# Altium PCB as_x31.PcbDoc (part 3 of 5) (continued)
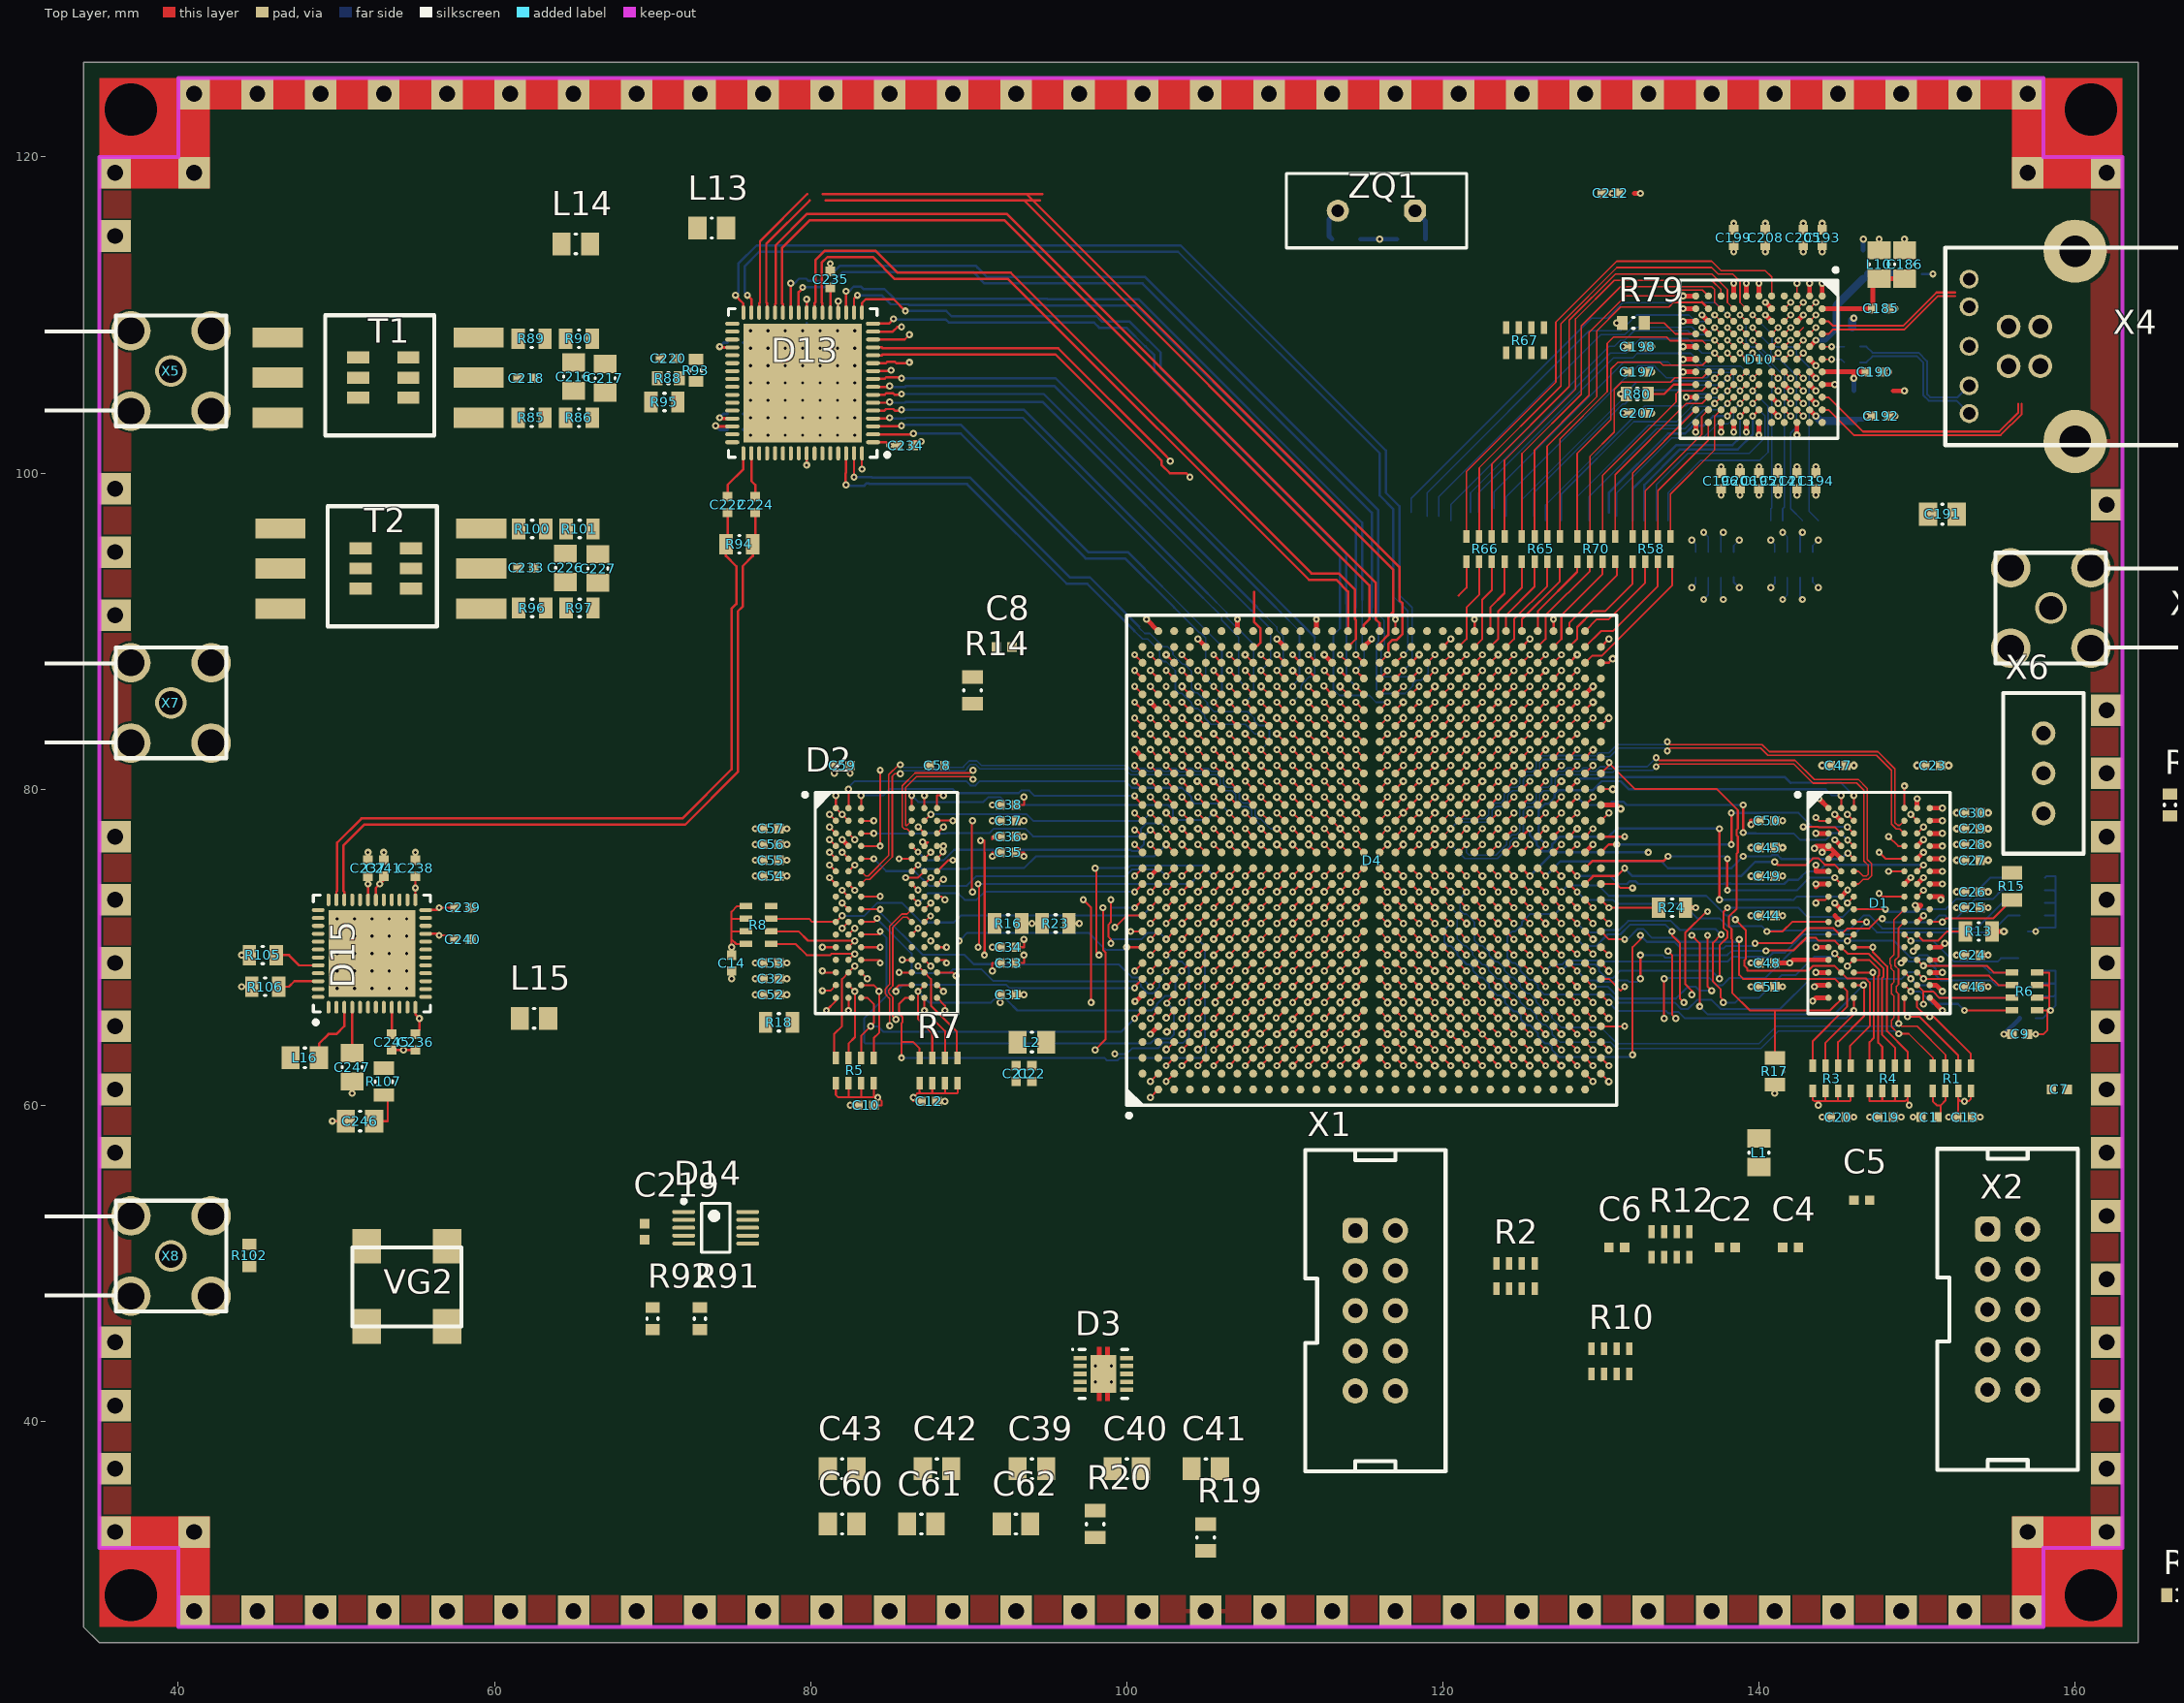
[diagram p0: Top Layer view]
## Nets (pads, with @x,y where several pads share a name; then routed paths per layer and width w, separated by ;. In a path a pad name is that pad's centre, name@x,y a point inside that pad or via, vN(x,y) a via of type N, cw(c..) or ccw(c..) an arc to the next point about the centre after c; other vN are vias at no path point) (continued)
  Bottom Layer w0.15: C189.1@150.3,112.6 v1(151,112.6)
  Bottom Layer w0.3: C183.1@114.8,114.8 v1(116,114.8) C182.1@117.1,114.8 ; v1(155.5,64.5) C11.2@156.5,65.5
  Bottom Layer w0.5: C188.1@145.9,109.2 145.9,109.7 v1(146,109.8)
  other v1: 102.5,86.5 122,90.75
  other v2: 311.8,38.8 312.9,38.8 315.1,38.8 316.2,38.8 311.8,39.9 314,39.9 315.1,39.9 316.2,39.9 311.8,41 312.9,41 315.1,41 311.8,42.1 314,42.1 315.1,42.1 316.2,42.1 98.025,42.5 98.025,42.5 99.025,42.5 311.8,43.2 312.9,43.2 315.1,43.2 316.2,43.2 98.025,43.5 98.025,43.5 99.025,43.5 50.05,67.4 51.15,67.4 52.25,67.4 53.35,67.4 54.45,67.4 50.05,68.5 51.15,68.5 52.25,68.5 53.35,68.5 54.45,68.5 50.05,69.6 51.15,69.6 52.25,69.6 53.35,69.6 54.45,69.6 50.05,70.7 51.15,70.7 52.25,70.7 53.35,70.7 54.45,70.7 50.05,71.8 51.15,71.8 52.25,71.8 53.35,71.8 54.45,71.8 154.5,78.5 602.45,167.9 602.45,167.9 603.55,167.9 603.55,167.9 602.45,169 602.45,169 603.55,169 603.55,169 308.45,169.45 308.45,169.45 309.55,169.45 309.55,169.45 602.45,170.1 602.45,170.1 603.55,170.1 603.55,170.1 315,170.35 315,170.35 587,170.35 587,170.35 308.45,170.55 308.45,170.55 309.55,170.55 309.55,170.55 314.35,171 314.35,171 315.65,171 315.65,171 586.35,171 586.35,171 587.65,171 587.65,171 315,171.65 315,171.65 587,171.65 587,171.65 440.45,194.45 440.45,194.45 441.55,194.45 441.55,194.45 440.45,195.55 440.45,195.55 441.55,195.55 441.55,195.55
0VA: C220.2 C221.2 C228.1 C229.1 C230.1 C231.1 C232.1 D13.65 R87.1 R88.1 R95.2 R98.1 R99.2 T1.6 T2.6 X5.2 X7.2 | length 2.5
  Bottom Layer w0.15: v2(79.5,109) 79.75,109.25 C228.1@79.75,109.5 ; C229.1@79.75,102 C229.1@79.75,102.15
  Bottom Layer w0.2: C231.1@75.75,102.75 75.85,102.75 v2(76.2,102.4) ; C232.1@75.75,103.75 75.95,103.75 v2(76.2,103.5) ; C230.1@75.75,108.25 75.85,108.25 v2(76.2,107.9)
  other v2: 77.3,102.4 78.4,102.4 79.5,102.4 80.6,102.4 81.7,102.4 82.8,102.4 77.3,103.5 78.4,103.5 79.5,103.5 80.6,103.5 81.7,103.5 82.8,103.5 76.2,104.6 77.3,104.6 78.4,104.6 79.5,104.6 80.6,104.6 81.7,104.6 82.8,104.6 76.2,105.7 77.3,105.7 78.4,105.7 79.5,105.7 80.6,105.7 81.7,105.7 82.8,105.7 76.2,106.8 77.3,106.8 78.4,106.8 79.5,106.8 80.6,106.8 81.7,106.8 82.8,106.8 77.3,107.9 78.4,107.9 79.5,107.9 80.6,107.9 81.7,107.9 82.8,107.9 76.2,109 77.3,109 78.4,109 80.6,109 81.7,109 82.8,109
12V: C143.1 C144.1 C149.1 C150.1 C152.1 C167.1 C168.1 C169.1 D7.4 D7.5 D7.6 D8.4 D8.5 D8.6 VD1.1
A_485: R35.2 X2.1
AD97_CS: D15.14
AD5322_DIN: D14.9
AD5322_LDAC: D14.1
AD5322_SCLK: D14.8
AD5322_SYNC: D14.7
AD9517_EXT_CLK: C242.2 D15.47 R103.1 R104.2 VD2.1
AD9517_FPGA_CLK: D15.48 VG2.3
AD9517_REF_SEL: D15.6
AD9517_REFMON: D15.1
AD9517_SCLK: D15.13
AD9517_SDIO: D15.16
AD9517_SDO: D15.15
AD9517_STATUS: D15.5
ADC_CLK_N: C224.1 D15.34 R94.1 | length 47
  Top Layer w0.15: D15.34@50.5,73 50.5,73.5 50.45,73.55 50.45,76.45 51.75,77.75 72.066,77.75 75.4,81.084 75.4,91.25 75.7,91.55 75.7,94.1 76.35,94.75 R94.1@76.35,95.5 ; R94.1@76.5,95.65 C224.1@76.5,97.5
ADC_CLK_P: C222.1 D15.35 R94.2 | length 47
  Top Layer w0.15: D15.35@50,73 50,73.5 50.05,73.55 50.05,76.616 51.584,78.15 71.9,78.15 75,81.25 75,91.416 75.3,91.716 75.3,94.1 74.65,94.75 R94.2@74.65,95.5 ; R94.2@74.75,95.6 C222.1@74.75,97.5
ADC_CML: C218.1 C233.1 D13.41 T1.2 T2.2
ADC_CSB: D13.51
ADC_D0_N: D4.J23 D13.62 | length 36.8
  Top Layer w0.125: v1(108.5,83.5) D4.J23@109,83
  Top Layer w0.15: v1(82.25,99.25) 82.2,99.3 82.2,99.978 82.25,100.028 D13.62@82.25,101.25
  Bottom Layer w0.1: 100.5,90 101,89.5 101.325,89.5 102.075,88.75 102.075,88.324 102.324,88.075 102.491,88.075 103.075,87.491 103.075,86.324 103.324,86.075 103.491,86.075 104.1,85.466 104.1,85.334 104.334,85.1 104.501,85.1 104.925,84.676 104.925,84.509 105.334,84.1 107.501,84.1 108.101,83.5 v1(108.5,83.5)
  Bottom Layer w0.15: v1(82.25,99.25) 82.3,99.2 83.4,99.2 83.55,99.35 83.684,99.35 83.734,99.3 89.9,99.3 96.2,93 97.5,93 100.5,90
ADC_D0_P: D4.J22 D13.63 | length 37.5
  Top Layer w0.125: v1(108.5,82.5) D4.J22@109,82
  Top Layer w0.15: v1(82.75,99.75) D13.63@82.75,101.25
  Bottom Layer w0.1: 100.783,90.283 100.783,90.212 101.145,89.85 101.47,89.85 102.32,89 102.601,89 102.925,88.676 102.925,88.509 103.534,87.9 103.666,87.9 104.1,87.466 104.1,86.334 104.334,86.1 104.466,86.1 105.1,85.466 105.1,85.334 105.534,84.9 107.666,84.9 108.075,84.491 108.075,84.324 108.374,84.025 108.717,84.025 109.025,83.717 109.025,83.025 v1(108.5,82.5)
  Bottom Layer w0.15: v1(82.75,99.75) 83.85,99.75 83.9,99.7 90.1,99.7 96.4,93.4 97.666,93.4 100.783,90.283
ADC_D1_N: D4.F26 D13.2 | length 30.4
  Top Layer w0.1: v1(105.5,86.5) D4.F26@106,86
  Top Layer w0.15: D13.2@83.95,102.45 86.45,102.45 v1(86.5,102.5)
  Bottom Layer w0.1: 103,91.5 104.6,89.9 104.666,89.9 105,89.566 105,87 v1(105.5,86.5)
  Bottom Layer w0.15: v1(86.5,102.5) 89.5,102.5 97.4,94.6 99.9,94.6 103,91.5
ADC_D1_P: D4.F25 D13.3 | length 32.4
  Top Layer w0.125: v1(105.5,85.5) D4.F25@106,85
  Top Layer w0.15: D13.3@83.95,102.95 85.7,102.95 v1(85.75,103)
  Bottom Layer w0.1: 102.25,92.816 106.025,89.041 106.025,86.025 v1(105.5,85.5)
  Bottom Layer w0.15: v1(85.75,103) 85.8,103.05 89.516,103.05 97.566,95 100.066,95 102.25,92.816
ADC_D2_N: D4.H26 D13.4 | length 33.1
  Top Layer w0.125: v1(107.5,86.5) D4.H26@108,86
  Top Layer w0.15: D13.4@83.95,103.45 84.95,103.45 v1(85,103.5)
  Bottom Layer w0.1: 104.842,92.092 106,90.934 106,90.689 107.075,89.614 107.075,86.925 107.283,86.717 v1(107.5,86.5)
  Bottom Layer w0.15: v1(85,103.5) 85.05,103.45 85.978,103.45 86.028,103.5 93.434,103.5 104.842,92.092
ADC_D2_P: D4.H25 D13.5 | length 35.1
  Top Layer w0.125: v1(107.5,85.5) D4.H25@108,85
  Top Layer w0.15: D13.5@83.95,103.95 84.672,103.95 84.772,104.05 85.228,104.05 85.328,103.95 85.7,103.95 v1(85.75,104)
  Bottom Layer w0.1: 105.125,92.375 106.325,91.175 106.325,90.859 108.025,89.159 108.025,86.025 v1(107.5,85.5)
  Bottom Layer w0.15: v1(85.75,104) 93.5,104 105.125,92.375
ADC_D3_N: D4.J27 D13.6 | length 34.8
  Top Layer w0.125: v1(108.5,87.5) D4.J27@109,87
  Top Layer w0.15: D13.6@83.95,104.45 84.95,104.45 v1(85,104.5)
  Bottom Layer w0.1: 107.875,91.309 107.9,91.284 107.935,91.284 108.095,91.125 108.125,91.125 109.1,90.15 109.1,88.1 v1(108.5,87.5)
  Bottom Layer w0.15: v1(85,104.5) 85.05,104.45 85.978,104.45 86.028,104.5 94.684,104.5 107.875,91.309
ADC_D3_P: D4.K27 D13.7 | length 35.6
  Top Layer w0.125: v1(109.5,87.5) D4.K27@110,87
  Top Layer w0.15: D13.7@83.95,104.95 84.672,104.95 84.772,105.05 85.228,105.05 85.328,104.95 85.7,104.95 v1(85.75,105)
  Bottom Layer w0.1: 108.25,91.5 109.492,90.258 109.492,90.074 109.9,89.666 109.9,89.334 109.874,89.308 109.9,89.282 109.9,87.9 v1(109.5,87.5)
  Bottom Layer w0.15: v1(85.75,105) 94.75,105 108.25,91.5
ADC_D4_N: D4.L26 D13.8 | length 37.1
  Top Layer w0.15: D13.8@83.95,105.45 84.95,105.45 v1(85,105.5)
  Bottom Layer w0.1: 109.717,91.217 110.925,90.009 110.925,86.986 110.5,86.561 v1(110.5,86.5)
  Bottom Layer w0.15: v1(85,105.5) 85.05,105.45 85.978,105.45 86.028,105.5 95.434,105.5 109.217,91.717 109.717,91.217
ADC_D4_P: D4.L25 D13.9 | length 39.6
  Top Layer w0.15: D13.9@83.95,105.95 83.975,105.975 84.697,105.975 84.772,106.05 85.7,106.05 v1(85.75,106)
  Bottom Layer w0.1: v1(110.5,85.5) 111.025,86.025 111.025,86.53 111.1,86.605 111.1,86.666 111.334,86.9 111.35,86.9 111.35,86.916 111.534,87.1 111.666,87.1 111.9,87.334 111.9,89.6
  Bottom Layer w0.15: v1(85.75,106) 95.5,106 109.5,92 111.9,89.6
ADC_D5_N: D4.N25 D13.12 | length 44.4
  Top Layer w0.125: v1(112.5,85.5) D4.N25@113,85
  Top Layer w0.15: D13.12@83.95,107.45 84.5,107.45 84.55,107.5 95.5,107.5 102,101 102.2,100.8 102.2,100.522 102.722,100 103.75,100 v1(104,99.75)
  Mid_1 w0.1: v1(112.5,85.5) 112.745,85.5 113.245,86 113.75,86 114,86.25 114,90.78 112.65,92.13 112.65,92.516
  Mid_1 w0.15: v1(104,99.75) 108.5,95.25 109.916,95.25 112.65,92.516
ADC_D5_P: D4.N24 D13.13 | length 45.3
  Top Layer w0.125: v1(112.5,84.5) D4.N24@113,84
  Top Layer w0.15: D13.13@83.95,107.95 84.5,107.95 84.55,107.9 95.666,107.9 102.283,101.283 v1@102.783,100.783
  Mid_1 w0.1: 112.25,92 113.5,90.75 113.5,89.25 113,88.75 113,86.25 112.78,86.03 112.288,86.03 111.975,85.717 111.975,85.025 v1(112.5,84.5)
  Mid_1 w0.15: v1(102.75,100.75) 103.45,100.05 103.45,99.522 108.122,94.85 109.75,94.85 112.25,92.35 112.25,92
ADC_D6_N: D4.R25 D13.14 | length 48.7
  Top Layer w0.125: v1(114.5,85.5) D4.R25@115,85
  Top Layer w0.15: D13.14@83.95,108.45 85.95,108.45 v1(86.25,108.75)
  Mid_1 w0.1: v1(114.5,85.5) 114.9,85.9 114.9,88.666 114.833,88.732 114.833,92.5
  Mid_1 w0.15: v1(86.25,108.75) 103.75,108.75 114.925,97.575 114.925,92.592 114.833,92.5
ADC_D6_P: D4.P25 D13.15 | length 51.7
  Top Layer w0.125: v1(113.5,85.5) D4.P25@114,85
  Top Layer w0.15: D13.15@83.95,108.95 85.2,108.95 85.5,109.25 v1(85.75,109.25)
  Mid_1 w0.1: v1(113.5,85.5) 114.025,84.975 114.717,84.975 115.324,85.582 115.324,89.11 115.1,89.334 115.1,91.85
  Mid_1 w0.125: 115.1,91.85 115.324,92.074 115.324,93.25
  Mid_1 w0.15: v1(85.75,109.25) 85.8,109.3 103.766,109.3 115.324,97.742 115.324,93.25
  Bottom Layer w0.15: v1(85.75,109.25) v1@85.8,109.3
ADC_D7_N: D4.T25 D13.16 | length 49.5
  Top Layer w0.125: D4.T25@116,85 v1(116.5,85.5)
  Top Layer w0.15: D13.16@83.95,109.45 84.95,109.45 v1(85.25,109.75)
  Bottom Layer w0.1: 113.5,90.175 113.075,89.75 113.075,86.324 113.474,85.925 115.35,85.925 115.775,85.5 v1(116.5,85.5)
  Bottom Layer w0.15: v1(85.25,109.75) 85.3,109.7 88.575,109.7 88.75,109.525 97.93,109.525 98.259,109.196 99.989,109.196 101.159,108.025 101.18,108.025 101.75,107.455 101.75,106.434 113.5,94.684 113.5,90.175
ADC_D7_P: D4.R26 D13.17 | length 47.9
  Top Layer w0.125: v1(114.5,86.5) D4.R26@115,86
  Top Layer w0.15: D13.17@83.25,110.15 83.25,110.75 83.5,111 85.25,111 v1(86,110.25)
  Bottom Layer w0.1: 113.9,91.725 113.9,87.1 v1(114.5,86.5)
  Bottom Layer w0.15: v1(86,110.25) 88.591,110.25 88.916,109.925 98.095,109.925 98.425,109.596 100.154,109.596 101.325,108.425 101.345,108.425 102.15,107.62 102.15,106.6 113.9,94.85 113.9,91.725
ADC_D8_N: D4.R28 D13.18 | length 47.7
  Top Layer w0.15: D13.18@82.75,110.15 82.75,111.04 v1(82.96,111.25) ; v1(114.5,88.5) D4.R28@115,88
  Bottom Layer w0.1: v1(114.5,88.5) 114.5,91.5
  Bottom Layer w0.15: v1(82.96,111.25) 84.5,111.25 85.075,110.675 86.176,110.675 86.218,110.633 94.801,110.633 94.834,110.6 100.584,110.6 114.5,96.684 114.5,91.5
ADC_D8_P: D4.R27 D13.19 | length 54.3
  Top Layer w0.15: D13.19@82.25,110.15 v1(82.25,111.5) ; 108.071,92.47 108.071,90.566 108.45,90.186 108.45,89.259 108.258,89.067 ; v1(114.5,87.5) D4.R27@115,87
  Bottom Layer w0.1: v1(114.5,87.5) 115.025,88.025 115.025,88.717 114.9,88.842 114.9,91.975
  Bottom Layer w0.15: v1(82.25,111.5) 82.432,111.5 82.732,111.8 83.188,111.8 83.338,111.65 84.666,111.65 85.283,111.033 94.967,111.033 95,111 100.75,111 114.9,96.85 114.9,91.975
ADC_D9_N: D4.P30 D13.22 | length 47.9
  Top Layer w0.15: D13.22@80.75,110.15 80.75,110.75 80.7,110.8 80.7,113.301 81.074,113.675 83.934,113.675 85.334,112.275 92.5,112.275 111.525,93.25 113.25,93.25 114,92.5 D4.P30@114,90
ADC_D9_P: D4.P29 D13.23 | length 50.5
  Top Layer w0.15: D13.23@80.25,110.15 80.25,110.75 80.3,110.8 80.3,113.467 80.908,114.075 84.1,114.075 84.708,113.467 85.5,112.675 92.666,112.675 111.691,93.65 113.416,93.65 114.45,92.616 114.45,90.75 114.5,90.7 114.5,89.5 D4.P29@114,89
ADC_D10_N: D4.W28 D13.25 | length 61.9
  Top Layer w0.125: D4.W28@119,88 v1(119.5,88.5)
  Top Layer w0.15: D13.25@79.25,110.15 79.25,111.45 79.5,111.7 v1(79.5,111.75)
  Bottom Layer w0.1: 115.5,91.5 115.5,90.945 115.745,90.7 115.775,90.7 115.925,90.55 115.925,89.359 115.8,89.234 115.8,86.3 116.05,86.05 117.616,86.05 118.1,86.534 118.1,86.666 118.334,86.9 118.642,86.9 119.075,87.333 119.075,88.075 v1(119.5,88.5)
  Bottom Layer w0.15: v1(79.5,111.75) 81.066,111.75 82.033,112.717 90.283,112.717 91,112 101,112 115.5,97.5 115.5,91.5
ADC_D10_P: D4.V27 D13.26 | length 59.9
  Top Layer w0.125: D4.V27@118,87 v1(118.5,87.5)
  Top Layer w0.15: D13.26@78.75,110.15 v1(78.75,112)
  Bottom Layer w0.1: 115.9,91.075 116.29,90.685 116.29,89.842 116.3,89.831 116.3,89.169 116.1,88.969 116.1,87.334 116.334,87.1 118.039,87.1 118.189,87.25 118.25,87.25 v1(118.5,87.5)
  Bottom Layer w0.15: v1(78.75,112) 78.972,112 79.272,112.3 79.728,112.3 79.878,112.15 80.9,112.15 81.867,113.117 90.449,113.117 90.566,113 91.166,112.4 101.166,112.4 115.9,97.666 115.9,91.075
ADC_D11_N: D4.R30 D13.27 | length 54.6
  Top Layer w0.15: D13.27@78.25,110.15 78.25,110.68 78.2,110.73 78.2,114.25 79.95,116 92.25,116 115.35,92.9 115.35,90.75 115,90.4 D4.R30@115,90
ADC_D11_P: D4.T30 D13.28 | length 55.9
  Top Layer w0.15: D13.28@77.75,110.15 77.75,110.68 77.8,110.73 77.8,114.416 79.784,116.4 92.416,116.4 115.75,93.066 115.75,90.75 116,90.5 D4.T30@116,90
ADC_D12_N: D4.T29 D13.29 | length 60.1
  Top Layer w0.15: D13.29@77.25,110.15 77.25,110.75 77.2,110.8 77.2,114.5 79.95,117.25 ; 80.95,117.25 94.5,117.25 ; 93.5,117.25 116.85,93.9 116.85,91.201 116.55,90.901 116.55,89.752 116,89.202 D4.T29@116,89
ADC_D12_P: D4.T28 D13.30 | length 62.9
  Top Layer w0.125: D4.T28@116,88 v1(116.5,88.5)
  Top Layer w0.15: D13.30@76.75,110.15 76.75,110.75 76.8,110.8 76.8,114.666 79.784,117.65 ; 80.784,117.65 94.666,117.65 ; 93.666,117.65 117.25,94.066 117.25,93.25 117.25,91.95 117.45,91.75 117.45,89.814 117.086,89.45 116.814,89.45 116.55,89.186 116.55,88.484 v1@116.533,88.467
ADC_D13_N: D4.U28 D13.31 | length 63.2
  Top Layer w0.125: D4.U28@117,88 v1(117.5,88.5)
  Top Layer w0.15: v1(76,111.25) 76.25,111 D13.31@76.25,110.15
  Bottom Layer w0.1: 116.875,92.725 116.875,92.18 117.775,91.28 117.775,88.775 v1(117.5,88.5)
  Bottom Layer w0.15: v1(76,111.25) 75.825,111.425 75.825,113.075 76.75,114 103.25,114 116,101.25 116,98.584 116.85,97.734 116.85,92.725
ADC_D13_P: D4.U27 D13.32 | length 65.7
  Top Layer w0.125: D4.U27@117,87 v1(117.5,87.5)
  Top Layer w0.15: v1(75.25,111.25) 75.45,111.05 75.45,111.022 75.75,110.722 D13.32@75.75,110.15
  Bottom Layer w0.1: 117.25,92.75 117.25,92.3 118.05,91.5 118.05,88.05 v1(117.5,87.5)
  Bottom Layer w0.15: v1(75.25,111.25) 75.425,111.425 75.425,113.241 76.584,114.4 103.416,114.4 116.4,101.416 116.4,98.75 117.25,97.9 117.25,97.75 117.25,92.75
ADC_DCO_N: D4.N27 D13.10 | length 38.7
  Top Layer w0.15: D13.10@83.95,106.45 84.925,106.45 84.975,106.5 v1(85.1,106.5) ; v1(112.5,87.5) D4.N27@113,87
  Mid_1 w0.1: v1(85.1,106.5) 85.1,106.592 86.133,107.625 92.905,107.625 109.005,91.525 109.475,91.525 112,89 112,88 v1(112.5,87.5)
ADC_DCO_P: D4.N26 D13.11 | length 39.2
  Top Layer w0.15: D13.11@83.95,106.95 84.772,106.95 84.872,107.05 85.328,107.05 85.428,106.95 v1@86.2,106.95 ; v1@86.2,107 v1(86.25,107) ; v1(112.47,86.53) 112.5,86.5 D4.N26@113,86
  Mid_1 w0.1: 107.75,92.215 108.84,91.125 109.225,91.125 111,89.35 111,87.399 111.324,87.075 111.925,87.075 v1(112.47,86.53)
  Mid_1 w0.15: v1(86.25,107) 86.5,107.25 92.75,107.25 107.768,92.232
ADC_SCLK: D13.48
ADC_SDIO: D13.47
ADC_SYNC: D13.52
AVDD: C190.2 C191.2 D10.A7 L12.2 | length 4
  Top Layer w0.3: D10.A7@144,106.4 146,106.4 ; v1(146,106) 146,106.4 ; C190.2@146.8,106.4 146,106.4
  Bottom Layer w0.3: L12.2@146,105.2 v1(146,106)
B_485: R37.2 X2.3
CTRL0: D10.K8 R70.6 | length 13.2
  Top Layer w0.1: R70.6@130.1,96 130.1,99.85 134.75,104.5 134.75,105 134.95,105.2 136.4,105.2 D10.K8@136.8,105.6
CTRL1: D10.K7 R70.7 | length 16.3
  Top Layer w0.1: R70.7@129.3,96 129.3,101.05 130.85,102.6 130.85,105.297 131.303,105.75 134.397,105.75 134.672,106.025 136.425,106.025 D10.K7@136.8,106.4
CTRL2: D10.J7 | length 17.5
  Top Layer w0.1: v1(137.2,106) D10.J7@137.6,106.4
  Bottom Layer w0.1: 125,97 125,98.318 131.282,104.6 131.416,104.6 131.65,104.834 131.65,105.15 132.25,105.75 134.5,105.75 134.575,105.825 137.025,105.825 v1(137.2,106)
CTRL3: D10.H7 | length 17.3
  Top Layer w0.1: v1(138,106) D10.H7@138.4,106.4
  Bottom Layer w0.1: 125.75,97.25 125.75,98.75 131.375,104.375 131.509,104.375 132.384,105.25 135.75,105.25 136.075,105.575 137.575,105.575 v1(138,106)
CTRL4: D10.G7 | length 21
  Top Layer w0.1: v1(138.8,106) D10.G7@139.2,106.4
  Bottom Layer w0.1: 123.25,97.75 123.25,98.816 131.459,107.025 134.258,107.025 134.483,106.8 136.025,106.8 136.25,106.575 138.238,106.575 138.8,106.013 v1(138.8,106)
CTRL5: D10.G6 | length 11.6
  Top Layer w0.1: v1(138.8,107.6) D10.G6@139.2,107.2
  Mid_1 w0.1: 137.75,97.5 137.75,97.75 137.2,98.3 137.2,102.73 137.575,103.105 137.575,106.105 138.8,107.33 v1(138.8,107.6)
CTRL6: D10.K6 R70.8 | length 18
  Top Layer w0.1: R70.8@128.5,96 128.5,101.25 130.625,103.375 130.625,106.575 131.05,107 133.75,107 133.925,106.825 136.425,106.825 D10.K6@136.8,107.2
CTRL7: D10.H8 | length 15.5
  Top Layer w0.1: v1(138,105.2) D10.H8@138.4,105.6
  Bottom Layer w0.1: 127.5,97 127.5,98.666 132.084,103.25 134.783,103.25 135.7,104.167 135.7,104.2 136.275,104.775 137.575,104.775 v1(138,105.2)
CTRL8: D10.G5 | length 12.4
  Top Layer w0.1: v1(138.8,108.4) D10.G5@139.2,108
  Mid_1 w0.1: 138.75,97.5 138.75,98.084 138.4,98.434 138.4,100.566 138.775,100.941 138.775,102.755 138.425,103.105 138.425,106.155 139.175,106.905 139.175,108.025 v1(138.8,108.4) v1@138.8,108.387
CTRL9: D10.H6 | length 11.7
  Top Layer w0.1: v1(138,107.6) D10.H6@138.4,107.2
  Mid_1 w0.1: 135.75,97.5 135.75,102.32 135.625,102.445 135.625,103.875 136,104.25 136,105.613 137.987,107.6 v1(138,107.6)
CTRL10: D10.K5 R65.5 | length 20.3
  Top Layer w0.1: R65.5@127.4,96 127.4,102.15 130.4,105.15 130.4,108.2 130.8,108.6 134.15,108.6 134.375,108.375 136.425,108.375 D10.K5@136.8,108
CTRL11: D10.J5 | length 23.1
  Top Layer w0.1: v1(137.2,108.4) D10.J5@137.6,108
  Bottom Layer w0.1: 120.5,97 120.5,98 130.525,108.025 130.859,108.025 131.234,108.4 131.5,108.4 132.1,109 135.5,109 136.1,108.4 v1(137.2,108.4)
CTRL12: D10.H5 | length 12.6
  Top Layer w0.1: v1(138,108.4) D10.H5@138.4,108
  Mid_1 w0.1: 136.5,97.5 136.5,105.83 137.045,106.375 137.305,106.375 138.375,107.445 138.375,108.025 v1(138,108.4)
CY_CTRL0: D4.AG29 R70.3 | length 6.7
  Top Layer w0.125: D4.AG29@127,89 127.5,89.5 127.5,91 130.1,93.6 R70.3@130.1,94.4
CY_CTRL3: R71.1
CY_CTRL4: R71.2
CY_CTRL5: R71.3
CY_CTRL6: D4.AF30 R70.1 R71.4 | length 5.4
  Top Layer w0.125: D4.AF30@126,90 126,91.25 128.5,93.75 R70.1@128.5,94.4
CY_CTRL7: R73.1 | length 0.8
  Bottom Layer w0.1: R73.1@143.4,93.4 143.4,93.1 v1(143.75,92.75)
CY_CTRL8: R73.2 | length 1.5
  Bottom Layer w0.1: R73.2@142.6,93.4 142.6,92.15 v1(142.75,92)
CY_CTRL9: R73.3 | length 1.5
  Bottom Layer w0.1: v1(141.5,92) 141.8,92.3 R73.3@141.8,93.4
CY_CTRL10: D4.AE30 R65.4 R73.4 | length 6.1
  Top Layer w0.125: D4.AE30@125,90 125,90.75 127.4,93.15 R65.4@127.4,94.4
  Bottom Layer w0.125: v1(140.75,92.75) 141,93 R73.4@141,93.4
CY_CTRL11: D4.AF29 R70.2 R74.1 | length 7.6
  Top Layer w0.125: D4.AF29@126,89 126.5,89.5 126.5,91 129.3,93.8 R70.2@129.3,94.4
  Bottom Layer w0.125: R74.1@138.4,93.4 138.4,93.1 v1(138.75,92.75)
CY_CTRL12: R74.2 | length 1.5
  Bottom Layer w0.1: R74.2@137.6,93.4 137.6,92.15 v1(137.75,92)
CY_DQ0: D4.Y21 | length 0.7
  Top Layer w0.125: D4.Y21@120,81 v1(120.5,81.5)
CY_DQ1: D4.AD24 | length 0.7
  Top Layer w0.125: D4.AD24@124,84 v1(124.5,84.5)
CY_DQ2: D4.AD25 | length 0.7
  Top Layer w0.125: D4.AD25@124,85 v1(124.5,85.5)
CY_DQ3: D4.Y25 | length 0.7
  Top Layer w0.125: D4.Y25@120,85 v1(120.5,85.5)
CY_DQ4: D4.Y26 R63.1 | length 0.7
  Top Layer w0.125: D4.Y26@120,86 v1(120.5,86.5)
CY_DQ5: D4.AB26 R63.2 | length 0.7
  Top Layer w0.125: D4.AB26@122,86 v1(122.5,86.5)
CY_DQ6: D4.AA26 R63.3 | length 0.7
  Top Layer w0.125: D4.AA26@121,86 v1(121.5,86.5)
CY_DQ7: D4.Y23 R63.4 | length 0.7
  Top Layer w0.125: D4.Y23@120,83 v1(120.5,83.5)
CY_DQ8: D4.AJ28 R58.4 R64.1 | length 9.1
  Top Layer w0.125: D4.AJ28@129,88 129.437,88.437 130.056,88.437 134.5,92.881 134.5,94.3 R58.4@134.4,94.4
CY_DQ9: R64.2
CY_DQ10: D4.AJ29 R58.3 R64.3 | length 7.7
  Top Layer w0.125: D4.AJ29@129,89 130,90 130.75,90 133.6,92.85 R58.3@133.6,94.4
CY_DQ11: D4.AH29 R58.1 R64.4 | length 7.5
  Top Layer w0.125: D4.AH29@128,89 128.5,89.5 128.5,90.25 129.5,91.25 130.25,91.25 132,93 R58.1@132,94.4
CY_DQ12: D4.AJ30 R58.2 R69.1 | length 6.4
  Top Layer w0.125: D4.AJ30@129,90 129.75,90.75 130.5,90.75 132.8,93.05 R58.2@132.8,94.4
CY_DQ13: D4.AH30 R69.2 R70.4 | length 5.7
  Top Layer w0.125: D4.AH30@128,90 128,90.525 131,93.525 131,94.3 R70.4@130.9,94.4
CY_DQ14: R69.3
CY_DQ15: R69.4
CY_DQ16: R65.3 | length 6.5
  Top Layer w0.125: 124,89 124.5,89.5 124.5,90.75 126.6,92.85 R65.3@126.6,94.4
CY_DQ18: D4.AD30 R65.2 | length 5.1
  Top Layer w0.125: D4.AD30@124,90 124,91 125.8,92.8 R65.2@125.8,94.4
CY_DQ19: R65.1 | length 6.2
  Top Layer w0.125: 123,89 123.5,89.5 123.5,91.25 125,92.75 R65.1@125,94.4
CY_DQ21: D4.AC30 R66.4 | length 4.8
  Top Layer w0.125: D4.AC30@123,90 123,91.5 123.9,92.4 R66.4@123.9,94.4
CY_DQ22: D4.AB29 R66.3 | length 5.9
  Top Layer w0.125: D4.AB29@122,89 122.5,89.5 122.5,92 123.1,92.6 R66.3@123.1,94.4
CY_DQ24: R67.1
CY_DQ25: R66.2 R67.2 | length 5.9
  Top Layer w0.125: 121,89 121.5,89.5 121.5,91.5 122.3,92.3 R66.2@122.3,94.4
CY_DQ26: R67.3
CY_DQ27: R67.4
CY_DQ28: R72.1
CY_DQ29: R66.1 R72.2 | length 2.4
  Top Layer w0.125: 121,92.25 121.5,92.75 R66.1@121.5,94.4
CY_DQ30: R72.3
CY_DQ31: R72.4
CY_G: D10.D7 VG1.3 | length 0.6
  Top Layer w0.1: D10.D7@141.6,106.4 v1(142,106)
CY_SCL: D10.D9 D11.6 R75.1 | length 0.6
  Top Layer w0.1: D10.D9@141.6,104.8 v1(142,104.4)
CY_SDA: D10.D10 D11.5 R76.1 | length 0.6
  Top Layer w0.1: D10.D10@141.6,104 v1(142,103.6)
D0: D10.F10 | length 12.2
  Top Layer w0.15: v1(139.6,103.6) D10.F10@140,104
  Bottom Layer w0.15: 132.75,97 132.75,99.25 135,101.5 138.666,101.5 139.6,102.434 v1(139.6,103.6)
D1: D10.F9 | length 13.4
  Top Layer w0.1: v1(139.6,104.4) D10.F9@140,104.8
  Bottom Layer w0.1: 133.5,97 133.5,99.25 135.5,101.25 139.38,101.25 140.375,102.245 140.375,103.625 v1(139.6,104.4)
D2: D10.F7 | length 23.5
  Top Layer w0.1: v1(139.6,106) D10.F7@140,106.4
  Bottom Layer w0.1: 122.25,97.5 122.25,98.75 130.775,107.275 132,107.275 132.3,107.575 135.692,107.575 136.492,106.775 138.825,106.775 v1(139.6,106)
D3: D10.G10 | length 12.1
  Top Layer w0.15: v1(138.8,103.6) D10.G10@139.2,104
  Bottom Layer w0.15: 132,97 132,99 134.775,101.775 138.325,101.775 138.8,102.25 v1(138.8,103.6)
D4: D10.G9 | length 12.5
  Top Layer w0.1: v1(138.8,104.4) D10.G9@139.2,104.8
  Bottom Layer w0.1: 131,97.25 131,98.75 134.475,102.225 136.475,102.225 137.355,103.105 138.036,103.105 138.375,103.445 138.375,103.975 v1(138.8,104.4)
D5: D10.F8 | length 14
  Top Layer w0.1: v1(139.6,105.2) D10.F8@140,105.6
  Bottom Layer w0.1: 134.25,97 134.25,98.75 136.3,100.8 140.05,100.8 140.575,101.325 140.575,104.225 v1(139.6,105.2)
D6: D10.H10 | length 11.3
  Top Layer w0.15: v1(138,103.6) D10.H10@138.4,104
  Bottom Layer w0.15: 130.5,97.5 130.5,98.75 134.25,102.5 135.334,102.5 135.6,102.766 135.834,103 136.166,103 136.5,103 137.1,103.6 v1(138,103.6)
D7: D10.H9 | length 13.3
  Top Layer w0.1: v1(138,104.4) D10.H9@138.4,104.8
  Bottom Layer w0.1: 129.25,97 129.25,98.5 133.55,102.8 135.316,102.8 136.516,104 137.6,104 v1(138,104.4)
D8: D10.J10 R58.5 | length 9.3
  Top Layer w0.1: R58.5@134.4,96 134.4,98.675 137.2,101.475 137.2,103.6 D10.J10@137.6,104
D9: D10.J9 | length 13.2
  Top Layer w0.1: v1(137.2,104.4) D10.J9@137.6,104.8
  Bottom Layer w0.1: 128.5,97 128.5,98.5 133.025,103.025 134.893,103.025 136.093,104.225 137.025,104.225 v1(137.2,104.4)
D10: D10.K11 R58.6 | length 8.5
  Top Layer w0.1: R58.6@133.6,96 133.6,98.875 136.8,102.075 D10.K11@136.8,103.2
D11: D10.L10 R58.8 | length 9.7
  Top Layer w0.1: R58.8@132,96 132,100 D10.L10@136,104
D12: D10.K10 R58.7 | length 9.7
  Top Layer w0.1: R58.7@132.8,96 132.8,98.87 136.375,102.445 136.375,103.575 D10.K10@136.8,104
D13: D10.K9 R70.5 | length 11.8
  Top Layer w0.1: R70.5@130.9,96 130.9,99.9 135.4,104.4 136.4,104.4 D10.K9@136.8,104.8
D14: D10.J8 | length 15.2
  Top Layer w0.1: v1(137.2,105.2) D10.J8@137.6,105.6
  Bottom Layer w0.1: 126.5,97 126.5,97.984 132.766,104.25 135.38,104.25 136.13,105 137,105 v1(137.2,105.2)